# KiCad board glasgow_revD0.kicad_pcb (continued)
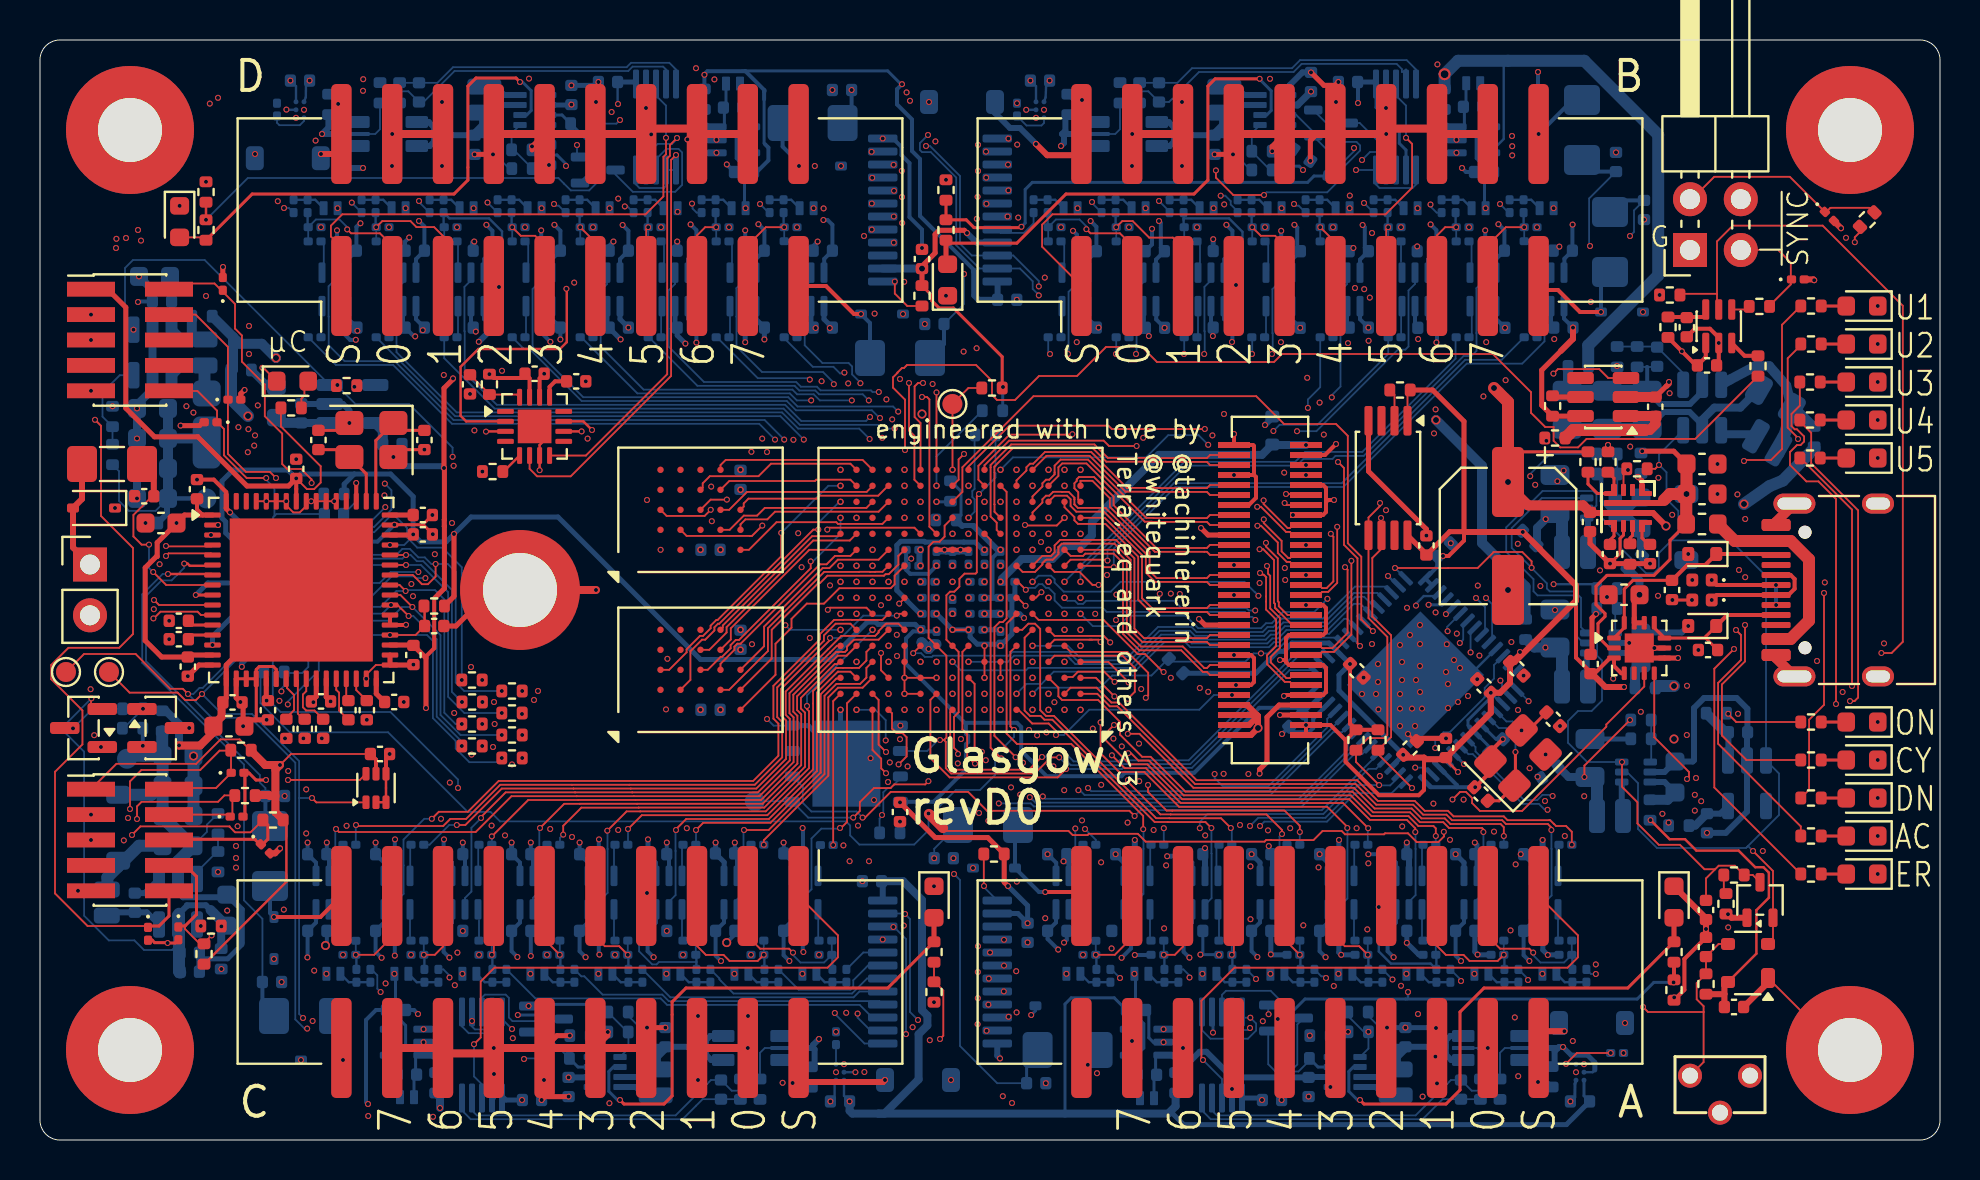
[diagram p0: board, top side]
## Routing (per net, layer and track width the routed paths; a pad name or vN(x,y) marks a point on that pad's centre or on a via; arc(x,y) is an arc through that point) (continued)
/IO Banks/Bank D/V_{SENSE}: length 25.8
  Top w0.09: v1(31.3,50.11) 31.3,49.29 31.17,49.16 31.17,47.18 30.28,46.28 15.12,46.28 14.54,45.72 14.54,45.17 15.05,44.67 15.05,42.62
  Bottom w0.09: 30.8,52.22 31.3,51.72 v1(31.3,50.11)
/IO Banks/Bank D/VIO_EN: length 4.9
  Bottom w0.15: U64.7 26.1,51.25 R211.2 27.64,49.71 27.64,48.49 D101.1
/IO Banks/Bank D/X0: length 1.6
  Bottom w0.09: R220.1 14.05,41.64 U62.3
/IO Banks/Bank D/X1: length 1.6
  Bottom w0.09: R221.1 17.5,40.19 U65.3
/IO Banks/Bank D/X2: length 1.6
  Bottom w0.09: R222.1 20.9,40.19 U67.3
/IO Banks/Bank D/X3: length 1.6
  Bottom w0.09: R223.1 24.3,40.19 U71.3
/IO Banks/Bank D/X4: length 1.6
  Bottom w0.09: R224.1 27.65,41.64 U63.3
/IO Banks/Bank D/X5: length 1.6
  Bottom w0.09: R225.1 31.06,40.14 31.06,41.69
/IO Banks/Bank D/X6: length 1.6
  Bottom w0.09: U68.3 34.5,40.19 R226.1
/IO Banks/Bank D/X7: length 1.6
  Bottom w0.09: R227.1 37.9,40.19 U72.3
/IO Banks/Bank D/Y0: length 1.7
  Bottom w0.09: R228.1 14.19,44.79 14.19,43.46 U62.4
/IO Banks/Bank D/Y1: length 1.7
  Bottom w0.09: U65.4 17.61,43.48 17.61,44.77 R229.1
/IO Banks/Bank D/Y2: length 1.6
  Bottom w0.09: U67.4 20.9,44.88 R230.1
/IO Banks/Bank D/Y3: length 1.7
  Bottom w0.09: R231.1 24.41,44.77 24.41,43.48 U71.4
/IO Banks/Bank D/Y4: length 1.7
  Bottom w0.09: R232.1 27.81,44.77 27.81,43.48 U63.4
/IO Banks/Bank D/Y5: length 1.7
  Bottom w0.09: R233.1 31.2,44.78 31.2,43.47 U66.4
/IO Banks/Bank D/Y6: length 1.7
  Bottom w0.09: R234.1 34.6,44.78 34.6,43.47 U68.4
/IO Banks/Bank D/Y7: length 1.6
  Bottom w0.09: 37.85,44.82 38,44.82 38,43.47 U72.4
/IO Banks/Bank D/Z0: length 6.4
  Top w0.09: 17.61,44.72 17,45.33 15.56,45.33 v1(15.36,45.53)
  Bottom w0.09: R228.2 D118.1 13.79,46.03 14.98,46.03 15.3,45.7 15.3,45.59 v1(15.36,45.53)
  Bottom w0.12: R236.1 13.38,45.67
/IO Banks/Bank D/Z1: length 7.7
  Top w0.09: J10.5 20.15,45.2 19.7,45.64 18.82,45.64 18.52,45.94 17.12,45.94 v1(16.81,45.64)
  Bottom w0.09: R229.2 v1(16.81,45.64)
  Bottom w0.12: R237.1 16.78,45.67
/IO Banks/Bank D/Z2: length 7.6
  Bottom w0.09: R230.2 D117.1
  Bottom w0.12: 20.18,45.67 R238.1 20.47,46.08 22.45,46.08 23.1,45.43 23.1,42.8 v1(22.95,42.65)
/IO Banks/Bank D/Z3: length 3.4
  Top w0.09: 25.23,44.74 24.76,45.21 24.04,45.21 v1(23.61,45.64)
  Bottom w0.09: R231.2 v1(23.61,45.64)
  Bottom w0.12: R239.1 23.58,45.67
/IO Banks/Bank D/Z4: length 2.5
  Top w0.09: 27.77,44.88 v1(27.01,45.64)
  Bottom w0.09: v1(27.01,45.64) R232.2
  Bottom w0.12: R240.1 26.98,45.67
/IO Banks/Bank D/Z5: length 4.4
  Top w0.09: v1(30.41,45.64) 30.31,45.54 J10.13
  Bottom w0.09: R233.2 v1(30.41,45.64)
  Bottom w0.12: R241.1 30.38,45.67
/IO Banks/Bank D/Z6: length 5.1
  Top w0.09: v1(33.81,45.64) 33.26,45.64 32.85,45.23 J10.15
  Bottom w0.09: R234.2 v1(33.81,45.64)
  Bottom w0.12: R242.1 33.78,45.67
/IO Banks/Bank D/Z7: length 3.6
  Top w0.09: v1(37.21,45.64) 36.29,45.64 35.39,44.74
  Bottom w0.09: R235.2 v1(37.21,45.64)
  Bottom w0.12: R243.1 37.18,45.67
/IO Banks/C.DIR0: length 12.4
  Top w0.09: 40.82,22.31 40.35,21.83 40.35,15.9 40.05,15.6 v1(40,15.6)
  Bottom w0.09: U50.5 38.25,12.21 38.57,12.53 38.57,15.08 39.07,15.57 39.97,15.57 v1(40,15.6)
/IO Banks/C.DIR1: length 16.9
  Top w0.09: v1(35.2,15.5) 36.43,15.5 39.22,18.29 39.22,22.21 39.82,22.81 41,22.81 41.32,23.12 41.32,23.61 U8.D14
  Bottom w0.09: 34.85,11.23 34.85,12.03 35.18,12.35 35.18,15.47 v1(35.2,15.5)
/IO Banks/C.DIR2: length 19.2
  Top w0.09: v1(31.8,15.5) 31.8,15.54 32.31,16.05 36.44,16.05 38.84,18.45 38.84,22.37 39.89,23.41 39.9,23.42 40.52,23.42 40.82,23.11
  Bottom w0.09: v1(31.8,15.5) 31.78,15.47 31.78,14.45 31.78,14.45 31.78,12.25 31.45,11.92 31.45,11.23
/IO Banks/C.DIR3: length 24.1
  Top w0.09: v1(28.37,15.47) 29.33,16.43 30.01,16.43 30.01,16.43 36.29,16.43 38.45,18.59 38.45,21.44 38.35,21.54 v1(38.35,21.7)
  Bottom w0.09: 28.05,11.23 28.05,12.03 28.38,12.36 28.38,14.55 28.38,14.56 28.38,15.45 v1(28.37,15.47) ; v1(41.62,25.51) 38.35,22.23 v1(38.35,21.7)
/IO Banks/C.DIR4: length 26.4
  Top w0.09: 40.82,24.71 40.33,24.22 39.89,24.22 39.66,23.99 39.66,23.99 37.85,22.19 37.85,21.49 38.06,21.29 38.06,18.74 36.13,16.81 29.85,16.81 29.85,16.81 26.99,16.81 26.99,16.81 26.21,16.81 v1(25,15.6)
  Bottom w0.09: v1(25,15.6) 24.97,15.56 24.97,13.74 24.97,13.73 24.97,12.43 24.65,12.11 24.65,11.23
/IO Banks/C.DIR5: length 32.9
  Top w0.09: U8.F12 42.92,25.81 42.3,25.81 41.93,25.45 41.93,25.38 41.75,25.2 40.07,25.2 39.42,24.56 37.28,22.42 37.28,21.26 37.49,21.05 37.49,18.98 35.9,17.38 29.62,17.38 29.62,17.38 26.75,17.38 26.75,17.38 23.28,17.38 22.05,16.15 v1(22.05,16.1)
  Bottom w0.09: 21.25,11.23 21.25,12.1 21.57,12.42 21.57,15.61 22.05,16.09 v1(22.05,16.1)
/IO Banks/C.DIR6: length 35.4
  Top w0.09: v1(19.59,16.06) 19.94,16.41 21.39,16.41 22.93,17.95 35.66,17.95 36.92,19.21 36.92,20.82 36.67,21.07 36.67,22.71 39,25.04 39,25.31 39.7,26 40.15,26 40.15,26.01 40.6,26.01 40.6,26 42.12,26 U8.G13
  Bottom w0.09: v1(19.59,16.06) 19.22,16.06 18.18,15.02 18.18,13.74 18.18,13.73 18.18,12.31 17.85,11.98 17.85,11.23
/IO Banks/C.DIR7: length 35.9
  Top w0.09: U8.E16 39.84,24.71 39.5,24.37 39.5,24.37 37.47,22.34 37.47,21.34 37.68,21.13 37.68,18.9 35.97,17.19 29.7,17.19 29.69,17.19 26.83,17.19 26.83,17.19 23.57,17.19 21.78,15.4 14.95,15.4 v1(14.8,15.55)
  Bottom w0.09: 14.45,11.23 14.45,11.92 14.77,12.25 14.77,13.73 14.76,13.74 14.76,15.52 v1(14.8,15.55)
/IO Banks/C.P0: length 2.2
  Bottom w0.09: R202.2 41.16,9.38 U24.20
/IO Banks/C.P1: length 6.3
  Bottom w0.09: 42.14,8.72 41.4,8.72 40.66,7.99 40.66,7.66 40.52,7.52 37.94,7.52 R203.2
/IO Banks/C.P2: length 9.5
  Bottom w0.09: R204.2 33.97,8.08 33.97,8.03 34.68,7.33 40.6,7.33 41.35,8.08 U24.18
/IO Banks/C.P3: length 12.7
  Bottom w0.09: R205.2 31.51,7.14 40.68,7.14 40.97,7.42 42.14,7.42
/IO Banks/C.P4: length 16.1
  Bottom w0.09: U24.16 41.97,6.94 31.44,6.94 31.11,7.27 28.13,7.27 27.22,8.19 27.06,8.19 R206.2
/IO Banks/C.P5: length 19.8
  Bottom w0.09: U24.15 41.62,6.12 40.99,6.75 31.36,6.75 31.03,7.08 24.77,7.08 R207.2
/IO Banks/C.P6: length 23
  In2.Cu w0.09: v1(40.88,6.32) 39.61,7.59 21.35,7.59 20.82,8.12 v1(20.48,8.12)
  Bottom w0.09: v1(40.88,6.32) 40.88,6.12 41.53,5.47 ; v1(20.48,8.12) 20.48,8.22 20.17,8.53 R208.2
/IO Banks/C.P7: length 27
  In2.Cu w0.09: v1(39.74,6.35) 39.74,6.56 38.9,7.4 v1(17.03,7.4)
  Bottom w0.09: v1(39.74,6.35) 39.74,6.31 41.22,4.83 41.47,4.83 ; v1(17.03,7.4) 16.87,7.56 16.87,8.23 16.57,8.53
/IO Banks/C.Q0: length 7.7
  Top w0.09: U8.B16 39.66,21.94 v1(39.66,14.75)
/IO Banks/C.Q1: length 11.3
  Top w0.09: v1(36.19,14.76) 36.19,14.99 39.41,18.22 39.41,22.13 39.9,22.61 41.13,22.61 U8.C14
/IO Banks/C.Q2: length 13.4
  Top w0.09: 40.06,23.07 39.82,23.07 39.03,22.29 39.03,18.37 36.52,15.86 33.16,15.86 v1(32.8,15.5)
  Bottom w0.09: v1(32.8,15.5) 32.8,14.77
/IO Banks/C.Q3: length 19.3
  Top w0.09: v1(29.4,15.55) 30.09,16.24 36.37,16.24 38.66,18.53 38.66,21.83 38.65,21.83 38.65,22.45 39.81,23.61 39.9,23.61 39.9,23.61 40.15,23.61 40.15,23.61 40.6,23.61 40.6,23.61 40.95,23.61 41.32,23.97 41.32,24.41 U8.E14
  Bottom w0.09: v1(29.4,15.55) 29.4,14.77
/IO Banks/C.Q4: length 20.6
  Top w0.09: U8.D16 39.96,23.91 39.85,23.8 39.73,23.8 38.04,22.11 38.04,21.57 38.25,21.37 38.25,18.66 36.21,16.62 29.93,16.62 27.07,16.62 26.16,15.71 v1(26.16,15.27)
  Bottom w0.09: 26,14.77 26,15.11 v1(26.16,15.27)
/IO Banks/C.Q5: length 26.9
  Top w0.09: v1(22.59,15.18) 24.41,17 26.91,17 29.77,17 29.77,17 36.05,17 37.87,18.82 37.87,21.21 37.66,21.42 37.66,22.27 39.58,24.18 39.58,24.18 39.81,24.41 39.9,24.41 39.9,24.41 40.15,24.41 40.15,24.41 40.25,24.41 40.35,24.5 40.35,24.66 40.7,25.02 41.93,25.02 U8.F13
  Bottom w0.09: v1(22.59,15.18) R183.2
/IO Banks/C.Q6: length 31.3
  Top w0.09: U8.G12 42.96,26.31 42.87,26.22 v1(42.84,26.22) ; v1(20.84,15.75) 21.27,15.75 23.09,17.57 26.67,17.57 26.68,17.57 29.54,17.57 29.54,17.57 35.82,17.57 37.3,19.06 37.3,20.98 37.05,21.23 37.05,22.55 39.5,25 v1(39.5,25.1)
  Bottom w0.09: v1(39.5,25.1) 40.05,25.1 41.17,26.22 v1(42.84,26.22) ; R184.2 19.47,14.76 20.46,15.75 v1(20.84,15.75)
/IO Banks/C.Q7: length 32.9
  Top w0.09: 40.82,25.51 40.52,25.81 39.78,25.81 39.19,25.23 39.19,24.96 36.86,22.63 36.86,21.15 37.11,20.9 37.11,19.13 35.74,17.76 29.46,17.76 29.46,17.76 26.6,17.76 26.6,17.76 23.01,17.76 21.3,16.06 20.51,16.06 20.16,15.7 15.85,15.7 v1(15.8,15.75)
  Bottom w0.09: R185.2 15.79,15.74 v1(15.8,15.75)
/IO Banks/D.DIR0: length 40.7
  In3.Cu w0.09: v1(40.82,26.31) 40.52,26 39.31,26 37.78,27.55 37.78,28.77 38.23,29.22 38.23,33.95 37.21,34.97 v1(37.21,35.02)
  Bottom w0.09: v1(37.21,35.02) 36.23,36 20.68,36 17.74,38.94 15.23,38.94 14.44,39.74 14.44,41.16 14.43,41.17 14.43,42.69 14.75,43 14.75,43.67
/IO Banks/D.DIR1: length 38.3
  In3.Cu w0.09: v1(41.62,27.11) 41.93,27.42 41.93,28.12 42.1,28.29 42.1,30.46 41.97,30.6 41.97,34.33 41.48,34.81 v1(41.48,35.05)
  Bottom w0.09: v1(41.48,35.05) 40.96,35.57 37.91,35.57 37.1,36.38 20.84,36.38 17.82,39.39 17.82,42.55 18.15,42.88 18.15,43.67
/IO Banks/D.DIR2: length 36.4
  In3.Cu w0.09: v1(42.43,27.11) 42.12,27.42 42.12,28.04 42.29,28.21 42.29,30.54 42.16,30.67 42.16,34.41 41.78,34.78 41.78,35.88 41.51,36.15 v1(41.5,36.15)
  Bottom w0.09: 21.55,43.67 21.55,42.98 21.22,42.66 21.22,40.45 21.24,40.44 21.24,38.36 22.84,36.76 37.26,36.76 38.07,35.95 41.3,35.95 v1(41.5,36.15)
/IO Banks/D.DIR3: length 32.8
  In3.Cu w0.09: v1(42.91,36.42) 42.91,36.35 43.03,36.22 43.03,35.17 42.92,35.06 42.92,34.44 42.72,34.24 42.72,30.91 42.86,30.77 42.86,28.18 42.92,28.12 42.92,28.01 43.02,27.91 v1(43.22,27.91)
  Bottom w0.09: 24.95,43.67 24.95,42.87 24.63,42.55 24.63,39.67 27.16,37.14 37.41,37.14 37.88,36.67 42.66,36.67 v1(42.91,36.42)
/IO Banks/D.DIR4: length 28.3
  In3.Cu w0.09: v1(40.59,36.98) 40.59,36.9 40.71,36.78 40.71,34.25 40.78,34.18 40.78,32.07 41.13,31.72 41.13,30.98 40.86,30.71 40.86,29.11 41.13,28.84 41.13,27.42 v1(40.82,27.11)
  Bottom w0.09: v1(40.59,36.98) 38.99,36.98 38.69,37.28 37.85,37.28 37.62,37.52 30.18,37.52 28.03,39.67 28.03,41.15 28.02,41.17 28.02,42.46 28.35,42.79 28.35,43.67
/IO Banks/D.DIR5: length 25
  In3.Cu w0.09: v1(41.62,28.71) 41.51,28.83 41.51,28.99 41.28,29.22 41.28,30.6 41.51,30.83 41.51,31.88 41.16,32.23 41.16,36.27 41.75,36.85 41.75,37.06 41.94,37.25 v1(41.94,37.4)
  Bottom w0.09: 31.75,43.67 31.75,42.8 31.42,42.47 31.42,40.58 31.43,40.57 31.43,39.67 33.2,37.9 37.81,37.9 38.04,37.67 38.84,37.67 39.03,37.48 41.55,37.48 41.63,37.4 v1(41.94,37.4)
/IO Banks/D.DIR6: length 20.6
  In3.Cu w0.09: v1(40.82,27.91) 40.33,28.41 39.9,28.41 39.68,28.62 39.68,30.13 39.86,30.31 39.86,30.73 39.72,30.87 39.72,37.76 v1(39.69,37.79)
  Bottom w0.09: v1(39.69,37.79) 39.69,37.86 39.15,38.4 36.1,38.4 34.82,39.67 34.82,41.16 34.82,41.17 34.82,42.59 35.15,42.92 35.15,43.67
/IO Banks/D.DIR7: length 17.7
  In3.Cu w0.09: v1(40.82,28.71) 40.52,29.02 40.52,36.2 40.19,36.53 40.19,37.16 40.87,37.84 v1(41.02,37.84)
  Bottom w0.09: v1(41.02,37.84) 41.02,37.86 40.6,38.28 40.6,38.67 40.43,38.85 39.12,38.85 38.24,39.74 38.24,41.16 38.23,41.17 38.23,42.66 38.55,42.97 38.55,43.67
/IO Banks/D.P0: length 31.4
  In2.Cu w0.09: v1(41.58,49.41) 41.58,48.87 40.96,48.25 13.84,48.25 v1(12.2,46.6)
  Bottom w0.09: v1(12.2,46.6) 12.45,46.6 R244.2
/IO Banks/D.P1: length 28.6
  In2.Cu w0.09: v1(15.59,46.87) 15.6,46.88 15.6,46.91 16.75,48.06 41.04,48.06 41.74,48.76 v1(42.68,48.76)
  Bottom w0.09: R245.2 15.6,46.85 15.6,46.86 v1(15.59,46.87)
/IO Banks/D.P2: length 23.9
  In2.Cu w0.09: v1(41.61,48.11) 41.37,47.86 19.85,47.86 18.95,46.96 v1(18.95,46.95)
  Bottom w0.09: v1(18.95,46.95) 19.03,46.87 19.03,46.82 R246.2
/IO Banks/D.P3: length 21.5
  In2.Cu w0.09: v1(22.38,46.88) 22.38,46.89 23.16,47.67 42.5,47.67 42.7,47.47 v1(42.7,47.46)
  Bottom w0.09: v1(22.38,46.88) R247.2
/IO Banks/D.P4: length 17.2
  In2.Cu w0.09: v1(41.59,46.83) 41.59,46.83 40.93,47.48 26.37,47.48 25.7,46.82 v1(25.7,46.8)
  Bottom w0.09: v1(25.7,46.8) 25.78,46.72 25.94,46.72 R248.2
/IO Banks/D.P5: length 14.9
  In2.Cu w0.09: v1(29.24,46.68) 29.24,46.89 29.65,47.3 40.64,47.3 41.76,46.17 v1(42.69,46.17)
  Bottom w0.09: R249.2 29.37,46.68 v1(29.24,46.68)
/IO Banks/D.P6: length 10.9
  In2.Cu w0.09: v1(32.6,46.82) 32.6,46.9 32.81,47.11 40.56,47.11 41.59,46.07 v1(41.59,45.52)
  Bottom w0.09: v1(32.6,46.82) 32.63,46.79 32.63,46.57 32.83,46.37 R250.2
/IO Banks/D.P7: length 8.4
  In2.Cu w0.09: v1(36,46.8) 36,46.9 39.29,46.9 40.9,45.3 40.9,45.07 41.1,44.87 v1(42.69,44.87)
  Bottom w0.09: v1(36,46.8) 36.43,46.37
/IO Banks/D.Q0: length 38
  In3.Cu w0.09: v1(37.27,25.74) 37.53,26 37.53,34.24 v1(36.75,35.02)
  Bottom w0.09: v1(40.03,25.51) 37.5,25.51 v1(37.27,25.74) ; v1(36.75,35.02) 35.96,35.81 20.6,35.81 17.66,38.75 14.8,38.75 R220.2
/IO Banks/D.Q1: length 34.9
  Top w0.09: v1(39.39,26.51) 39.5,26.61 41.32,26.61 U8.G14
  In3.Cu w0.09: v1(38.19,35.02) 38.42,34.79 38.42,30.31 38.85,29.88 38.85,27.05 v1(39.39,26.51)
  Bottom w0.09: v1(38.19,35.02) 37.02,36.19 20.76,36.19 R221.2
/IO Banks/D.Q2: length 34.4
  Top w0.09: 43.22,27.08 v1(42.96,26.82)
  In3.Cu w0.09: v1(42.96,26.82) 42.73,27.05 42.73,28.04 42.67,28.1 42.67,30.7 42.53,30.83 42.53,34.32 42.73,34.52 v1(42.73,35.57)
  Bottom w0.09: v1(42.73,35.57) 42.31,35.57 42.12,35.76 37.99,35.76 37.18,36.57 22.73,36.57 20.21,39.09 R222.2
/IO Banks/D.Q3: length 28.6
  In3.Cu w0.09: v1(42,36.1) 42.02,36.1 42.43,35.7 42.43,34.48 42.34,34.4 42.34,30.75 42.48,30.62 42.48,27.97 v1(42.43,27.91)
  Bottom w0.09: v1(42,36.1) 41.98,36.1 41.6,36.48 37.8,36.48 37.33,36.95 27.08,36.95 24.44,39.59 24.16,39.59 R223.2
/IO Banks/D.Q4: length 24.1
  In3.Cu w0.09: v1(40.03,26.31) 39.04,27.29 39.04,29.96 38.61,30.39 38.61,36.93 v1(38.56,36.98)
  Bottom w0.09: v1(38.56,36.98) 37.84,36.98 37.49,37.33 29.87,37.33 27.06,40.14
/IO Banks/D.Q5: length 22.1
  In3.Cu w0.09: v1(41.44,36.98) 40.9,36.44 40.9,34.33 40.97,34.26 40.97,32.15 41.32,31.8 41.32,30.9 41.09,30.67 41.09,29.15 41.32,28.92 41.32,28.22 v1(41.62,27.91)
  Bottom w0.09: v1(41.44,36.98) 41.13,37.28 38.96,37.28 38.77,37.47 37.97,37.47 37.73,37.71 32.87,37.71 30.44,40.14
/IO Banks/D.Q6: length 16.4
  In3.Cu w0.09: v1(40.03,27.91) 39.49,28.44 39.49,30.21 39.67,30.39 39.67,30.65 39.53,30.79 39.53,36.91 38.49,37.95 v1(38.49,38.02)
  Bottom w0.09: v1(38.49,38.02) 38.42,38.09 35.89,38.09 33.84,40.14
/IO Banks/D.Q7: length 13.8
  In3.Cu w0.09: v1(40.03,28.71) 40.33,29.02 40.33,36.12 40,36.45 40,38.15 v1(40.22,38.37)
  Bottom w0.09: 37.21,40.09 38.64,38.66 39.67,38.66 40,38.33 40.18,38.33 v1(40.22,38.37)
/IO Banks/V_{SET_A}: length 75.8
  Top w0.12: v1(27.6,35.5) 27.17,35.93 U21.11
  In2.Cu w0.12: v1(64.19,35.27) 64.04,35.12 60.33,35.12 59.56,35.89 43.79,35.89 42.63,34.73 39.88,34.73 39.11,35.5 35.94,35.5 35.48,35.04 28.06,35.04 v1(27.6,35.5)
  In3.Cu w0.15: v1(64.19,35.27) 64.21,35.25 64.21,29.79 64.82,29.17 64.82,16.83 63.52,15.52 63.52,6.38 63.7,6.2 65.3,6.2 66.09,5.41 v1(66.42,5.41)
  Bottom w0.09: R87.2 65.39,6.21 66.38,5.22 ; v1(66.42,5.41) 66.42,4.57 U28.1
/IO Banks/V_{SET_B}: length 54.1
  Top w0.12: v1(27.08,35.43) U21.10
  In2.Cu w0.12: v1(63.36,38.11) 63.36,38.06 62.1,36.8 42.69,36.8 42.45,36.56 41.25,36.56 40.41,35.72 35.85,35.72 35.39,35.26 29.11,35.26 28.51,35.86 27.51,35.86 27.08,35.43 v1(27.08,35.43)
  In3.Cu w0.12: v1(63.15,48.5) 63.36,48.29 v1(63.36,38.11)
  Bottom w0.09: R129.2 61.51,48.5 60.62,49.39 60.62,49.68 ; U40.1 60.59,50.34 R130.1
  Bottom w0.15: R129.2 61.8,48.69 62.96,48.69 v1(63.15,48.5)
/IO Banks/V_{SET_C}: length 39.8
  Top w0.12: v1(22.3,35.42) 22.31,35.43 U21.3
  In3.Cu w0.12: v1(23.89,6.25) 23.73,6.25 21.46,8.52 21.46,15.01 21.23,15.24 21.23,19.39 21.42,19.58 21.42,23.12 21.23,23.31 21.23,34.35 v1(22.3,35.42)
  Bottom w0.09: R171.2 28.39,6.39 29.38,5.4 29.38,5.22 ; U52.1 29.42,4.57 29.42,5.39 R172.1
  Bottom w0.15: R171.2 28.01,6.78 25.57,6.78 25.04,6.25 v1(23.89,6.25)
/IO Banks/V_{SET_D}: length 24.7
  Top w0.12: U21.2 21.31,35.93 21.03,36.21 21.03,38.66 21.92,39.55 26,39.55 26.34,39.89 26.34,42.54 v1(26.32,42.56)
  In3.Cu w0.12: v1(26.3,48.7) 26.32,48.68 v1(26.32,42.56)
  Bottom w0.09: R214.1 23.58,50.33 U64.1 ; 23.62,49.68 23.62,49.57 24.5,48.69 24.61,48.69
  Bottom w0.15: v1(26.3,48.7) 26.3,48.8 25.85,49.25 25.25,49.25 25,49.01 25,49 24.7,48.69 24.61,48.69 R213.2
/LED_ACT: length 28
  Top w0.09: v1(84.8,25.5) 85.05,25.25 85.05,24 83.91,22.86 83.91,19.81 88.04,15.68 R4.1
  In2.Cu w0.09: v1(84.8,25.5) 82.64,25.5 82.54,25.39 82.29,25.39 82.23,25.45 71.59,25.45 v1(70.99,24.85)
  Bottom w0.09: v1(70.99,24.85) 71.16,25.02 71.16,25.76 71.36,25.96 U2.49
/LED_CY: length 64.1
  Top w0.09: NT1.1 45.29,15.45 51.43,15.45 51.63,15.25 52.38,15.25 52.44,15.31 54.89,15.31 55.28,14.92 61.23,14.92 61.31,15 61.56,15 61.57,15 63.67,15 64.13,15.45 65.08,15.45 65.25,15.28 67.2,15.28 67.25,15.33 68.4,15.33 68.84,14.89 69.92,14.89 70.2,15.18 70.2,15.4 v1(70.19,15.41) ; v1(85.25,25.75) 85.25,23.93 84.09,22.78 84.09,20.22 85.32,19 R2.1
  In2.Cu w0.09: v1(70.3,26.29) 70.49,26.11 77.1,26.11 77.65,26.66 77.95,26.66 78.5,26.11 85.16,26.11 85.25,26.01 v1(85.25,25.75)
  In3.Cu w0.09: v1(70.19,15.41) 70.2,15.42 70.2,19.75 70,19.95 70,26 70.29,26.29 v1(70.3,26.29)
  Bottom w0.09: v1(70.3,26.29) U2.47
/LED_ERR: length 28.9
  Top w0.09: v1(84.7,24.55) 83.72,23.56 83.72,17.62 R5.1
  In2.Cu w0.09: v1(71.53,24.38) 72.41,25.26 82.15,25.26 82.21,25.2 84.54,25.2 84.75,25 84.75,24.6 v1(84.7,24.55)
  Bottom w0.09: v1(71.53,24.38) 71.53,25.43 71.71,25.61 U2.50
/MCU_~{RST}: length 83.8
  Top w0.09: 8.87,35.88 9.2,35.55 9.2,34.23 10.33,33.1 v1(11.31,33.1) ; D11.1 8.85,36.47 7.87,37.45 6.25,37.45
  In2.Cu w0.09: v1(70.38,25.44) 69.87,25.44 69.06,26.25 67.88,26.25 66.77,25.14 66.52,25.14 66.45,25.2 54.48,25.2 53.68,24.41 49.35,24.41 48.86,23.91 v1(48.82,23.91) 47.13,23.91 46.6,24.44 44.82,24.44 44.74,24.53 44.74,24.68 44.54,24.87 42.7,24.87 42.55,25.02 39.85,25.02 38.68,23.85 33.05,23.85 32.22,24.68 17.05,24.68 11.75,29.98 11.75,32.66 v1(11.31,33.1)
  Bottom w0.09: 11.72,31.2 11.72,32.6 11.31,33.01 v1(11.31,33.1) ; 11.72,31.2 11.66,31.14 11.66,29.61 U6.5 ; 11.72,31.2 11.82,31.3 C23.1 14.19,31.33 R26.2 ; v1(70.38,25.44) 70.36,25.46 70.36,25.66 71.02,26.32 U2.48
/NAFE_{~{CS}}: length 26.6
  In2.Cu w0.09: v1(22.11,20.8) 22.11,21.48 21.8,21.78 21.8,23.13 21.98,23.31 22.4,23.31 22.5,23.2 42.88,23.2 43.1,23.42 45.32,23.42 v1(45.62,23.11)
/NAFE_{~{RST}}: length 21.2
  In2.Cu w0.09: v1(42.29,19.98) 42.06,19.75 24.89,19.75 24.7,19.56 24.57,19.56 v1(24.11,19.1)
  Bottom w0.09: v1(42.29,19.98) 42.29,20.99 41.76,21.51 v1(40.82,21.51)
/OE: length 18.9
  Bottom w0.09: U2.35 65.36,26.06 65.21,26.06 64.46,25.31 62.4,25.31 61.98,24.89 61.69,24.89 61.44,24.64 57.51,24.64 57.26,24.89 56.21,24.89 54.74,23.42 50.69,23.42 50.08,22.81 49.32,22.81 v1(48.82,22.31)
/PG_{VBUS}: length 41.3
  Top w0.09: U5.3 79.18,33.28 v1(79.4,33.5) R60.1 ; 83.18,6.4 83.18,6.69 82.84,7.04 82.84,7.84 R59.2 C83.1 83.93,9.8 U16.3 ; 83.18,6.4 80.4,6.4 v1(80.15,6.65) ; 83.18,6.4 83.18,3.9 SW1.2
  In3.Cu w0.09: v1(79.4,33.5) 79.42,33.48 79.42,29.31 77.99,27.88 77.99,26.54 78.13,26.4 78.13,7.52 79,6.65 v1(80.15,6.65)
/PKTEND: length 26.2
  Top w0.09: U8.E11 43.66,24.34 v1(43.66,24.34)
  Bottom w0.09: U2.39 67.2,27.02 66.87,27.35 65.7,27.35 65.69,27.35 64.22,25.88 62.17,25.88 61.75,25.46 61.46,25.46 61.21,25.21 57.75,25.21 57.5,25.46 55.98,25.46 54.5,23.98 51.85,23.98 51.43,24.41 48.62,24.41 48.43,24.22 44.65,24.22 44.59,24.16 44.24,24.16 44.06,24.34 v1(43.66,24.34)
/Power/BO5V5IN: length 9
  Bottom w0.5: C80.1 87.58,36.6 87.31,37.72 86.46,38.69 85.77,38.69 84.5,38.02 U15.6 ; 87.56,36.76 88.64,35.68 NT2.1
  Bottom w0.6: 87.52,36.51 87.3,35.47 87.09,34.92 L1.1 86.92,34.32
/Power/BOIN: length 5.5
  Bottom w0.3: C106.1 6.58,40.52 ; C105.1 6.5,42.01
  Bottom w0.5: U23.6 7.06,40.03 L5.1 ; NT15.1 7.59,40.12
/Power/BOOST_OUT15V: length 16
  Bottom w0.09: R80.1 3.95,33.44 3.95,31.95 4.44,31.46 5.78,31.46 C111.1
  Bottom w0.2: TP5.1 C111.1 7.83,32.08 7.85,32.06
  Bottom w0.3: NT16.1 6.35,31.31 6.35,31.98 6.48,32.11
  Bottom w0.5: C113.1 C115.1 C111.1 ; C113.1 C109.1 ; C113.1 8.13,35.08
/Power/BU1V1IN: length 2.9
  Bottom w0.3: C89.1 81.23,17.9 U18.3
  Bottom w0.5: NT7.1 81.38,17.01 81.75,17.38
/Power/BU1V8IN: length 2.8
  Bottom w0.3: 78.94,24.36 78.95,24.35 ; U14.3 79.53,24.35 C82.1
  Bottom w0.5: 80.04,23.81 79.75,23.52 NT4.1
/Power/BU3V3IN: length 2.8
  Bottom w0.3: U13.3 79.53,31.1 C81.1
  Bottom w0.4: 80.05,29.31 80.05,30.61 80.03,30.63
/Power/EN: length 10.4
  In3.Cu w0.09: v1(7.46,20.6) 8.04,20.02 8.04,10.93 8.04,10.93 v1(8.04,10.7)
  Bottom w0.3: v1(8.04,10.7) 7.97,10.78 7.85,10.78
/Power/IBBIN: length 25.7
  Top w0.09: 3.14,21.57 3.09,21.62 2.55,21.62 2.55,22.06 v1(2.57,22.08)
  Bottom w0.09: v1(2.57,22.08) 1.23,20.74 1.23,20.39 2.21,19.42 2.21,11.21 3.44,9.98 4.72,9.98 5.2,9.5 6.6,9.5 6.95,9.85
  Bottom w0.3: 6.95,11.31 7.35,11.71 7.35,11.74 8.29,11.74 8.53,11.5
  Bottom w0.4: 9.3,10.67 9.06,10.43 NT14.1 ; C98.1 9.31,10.72
  Bottom w0.5: 9.31,10.72 8.53,11.5
  Bottom w0.6: 7.01,8.37 6.95,8.43 6.95,11.31
  vias: v1(9.07,10.68)
/Power/INVBUBO_LOCALGND: length 27.6
  Bottom w0.09: R79.2 8.35,15.77 8.35,15.41 7.68,14.74
  Bottom w0.2: R77.1 v1(5.14,19.71)
  Bottom w0.25: 7.97,9.07 7.96,9.06 9.38,9.06 10.09,9.77 10.09,9.86
  Bottom w0.3: C98.2 10.09,11.52 10.09,9.86 ; C101.2 C102.2 ; U22.2 6.9,12.39 7.15,12.14 9.21,12.14
  Bottom w0.4: 5.2,19.21 5.14,19.27 v1(5.14,19.71)
  Bottom w0.5: 6.18,16.21 C108.2
  Bottom w0.6: TP6.1 4.5,19.21 C112.2 ; D39.2 5.57,17.26 6.09,17.78 ; NT17.2 6.11,19.2 6.13,19.18 6.13,16.16 6.11,16.14 7.54,14.71 C108.2 6.9,13.94 U22.2
/Power/LDOVDDAIN: length 1.6
  Bottom w0.4: FB2.1 11.37,37.69 10.56,38.5
/Power/U1FB: length 4.7
  Bottom w0.09: R80.2 R81.1 3.12,36.17 3.12,37.38 3.99,38.24 U23.3
/Power/U1SW: length 3.1
  Bottom w0.5: 6.57,38.24 7.06,38.73 L5.2
  Bottom w0.6: L5.2 8.22,37.44
/Power/U2FB: length 2.3
  Bottom w0.09: 7.85,13.41 8.86,14.42 ; R79.1 R78.2
/Power/U2SW: length 2.7
  Bottom w0.3: 3.53,11.38 C107.2 5.34,11.38 5.95,10.78
/Power/VAUXLDOIN: length 2.9
  Bottom w0.3: C90.1 84.42,19
  Bottom w0.5: NT8.1 84.23,20.42 84.44,20.42
/RD: length 50
  Top w0.09: v1(46.95,32.3) 46.84,32.19 46.84,28.38 46.78,28.32 46.23,28.32 45.97,28.06 45.97,27.67 45.72,27.42 45.5,27.42 45.32,27.24 45.32,25.02 U8.E9 45.93,24.41 45.93,21.38 45.7,21.15 45.7,19.61 45.95,19.36 45.95,19.35 v1(45.9,19.3)
  In2.Cu w0.09: v1(74.43,21.94) 74.39,21.9 73.8,21.9 72.91,21 65.72,21 64.37,19.65 61.85,19.65 61.85,19.7 61.3,20.25 61.3,20.8 61,21.1 54.48,21.1 53.83,20.44 53.47,20.44 52.77,19.74 46.79,19.74 46.41,19.36 45.96,19.36 v1(45.9,19.3)
  Bottom w0.09: 46.92,32.27 47.77,33.12 47.77,33.33 47.72,33.38 47.72,33.64 47.77,33.69 R40.2 ; U2.1 v1(74.43,21.94)
/SCL: length 253.2
  Top w0.09: U4.7 80.71,20.14 82.45,18.4 82.45,18.15 v1(82.35,18.05) ; v1(31.8,49.25) 31.56,49.01 31.56,38.21 26.53,33.19 24.85,33.19 24.48,33.56 U21.6 ; v1(13.6,17.1) 13.82,16.88 16.29,16.88 U3.1 ; v1(67.05,31.1) 67.05,30.26 U1.6 67.07,29.56 66.62,29.1 66.62,26.18 67.56,25.24 67.56,20.15 R8.1 66.9,19.3 v1(68.6,17.6) ; v1(8.1,22.3) 7.79,22 7.25,22 6.88,22.37 4.48,22.37 TP2.1
  In2.Cu w0.09: v1(60.52,6.12) 60.36,6.28 50.3,6.28 48.93,4.91 45.57,4.91 45.05,5.43 43.85,5.43 43.71,5.29 43.31,5.29 v1(43.3,5.3) 42.78,5.81 39.56,5.81 38.86,6.51 32.78,6.51 32.21,5.94 29.93,5.94 29.75,5.75 23.84,5.75 23.63,5.55 v1(23.6,5.55) 23.29,5.24 13.26,5.24 13.05,5.44 13.05,5.7 13.15,5.79 v1(13.15,6.1) ; v1(44.3,49.7) 43.9,49.7 42.95,50.65 34.89,50.65 33.95,49.7 32.21,49.7 31.8,49.3 v1(31.8,49.25) ; v1(68.6,17.6) 68.87,17.33 74.93,17.33 75.44,17.84 78.09,17.84 78.4,18.15 82.3,18.15 82.35,18.1 v1(82.35,18.05) ; v1(49.94,42.68) 49.96,42.7 59.15,42.7 59.5,42.34 59.9,42.34 60.25,42.7 65.65,42.7 v1(65.75,42.6)
  In3.Cu w0.09: v1(65.8,48.5) 65.82,48.47 65.82,45.62 65.99,45.46 65.99,42.84 v1(65.75,42.6) 65.75,32.4 v1(67.05,31.1) ; v1(42.67,10.65) 42.67,11.21 43.25,11.78 43.25,13.83 43.7,14.28 43.7,21.03 v1(43.22,21.51) ; v1(60.52,6.12) 61.22,6.81 61.22,9.24 61.01,9.44 61.01,15.69 v1(61,15.7)
  Bottom w0.09: U70.5 29.8,47.77 29.97,47.6 31.2,47.6 31.3,47.7 U70.2 U70.1 v1(31.8,49.25) ; v1(23.6,5.55) 23.15,6 23.15,6.35 23.2,6.4 ; U2.15 68.29,17.91 v1(68.6,17.6) ; U58.5 23.1,5.86 22.58,5.34 21.44,5.34 21.1,5.68 U58.1 ; v1(43.3,5.3) 43.3,10.05 42.7,10.65 v1(42.67,10.65) ; U6.26 10.71,25.85 10.71,24.91 v1(8.1,22.3) 9.1,21.3 10.6,21.3 12.96,18.94 12.96,17.1 ; v1(44.3,49.7) 44.5,49.7 46,48.2 46,44.82 46.59,44.22 U25.22 48.66,44.22 49.94,42.95 v1(49.94,42.68) ; v1(65.8,48.5) U46.5 66.8,47.77 66.97,47.6 68.62,47.6 68.8,47.78 U46.1 ; v1(61,15.7) 61.22,15.92 64.35,15.92 65.77,17.34 67.58,17.34 68.11,17.87 ; 12.96,17.1 12.96,6.31 13.15,6.11 v1(13.15,6.1) ; 12.96,17.1 v1(13.6,17.1) ; U34.1 58.1,5.49 58.52,5.06 60.4,5.06 60.81,5.47 60.81,5.83 v1(60.52,6.12) 60.16,6.12 60.1,6.18 60.11,6.19 60.11,6.42